# KiCad board main.kicad_pcb (continued)
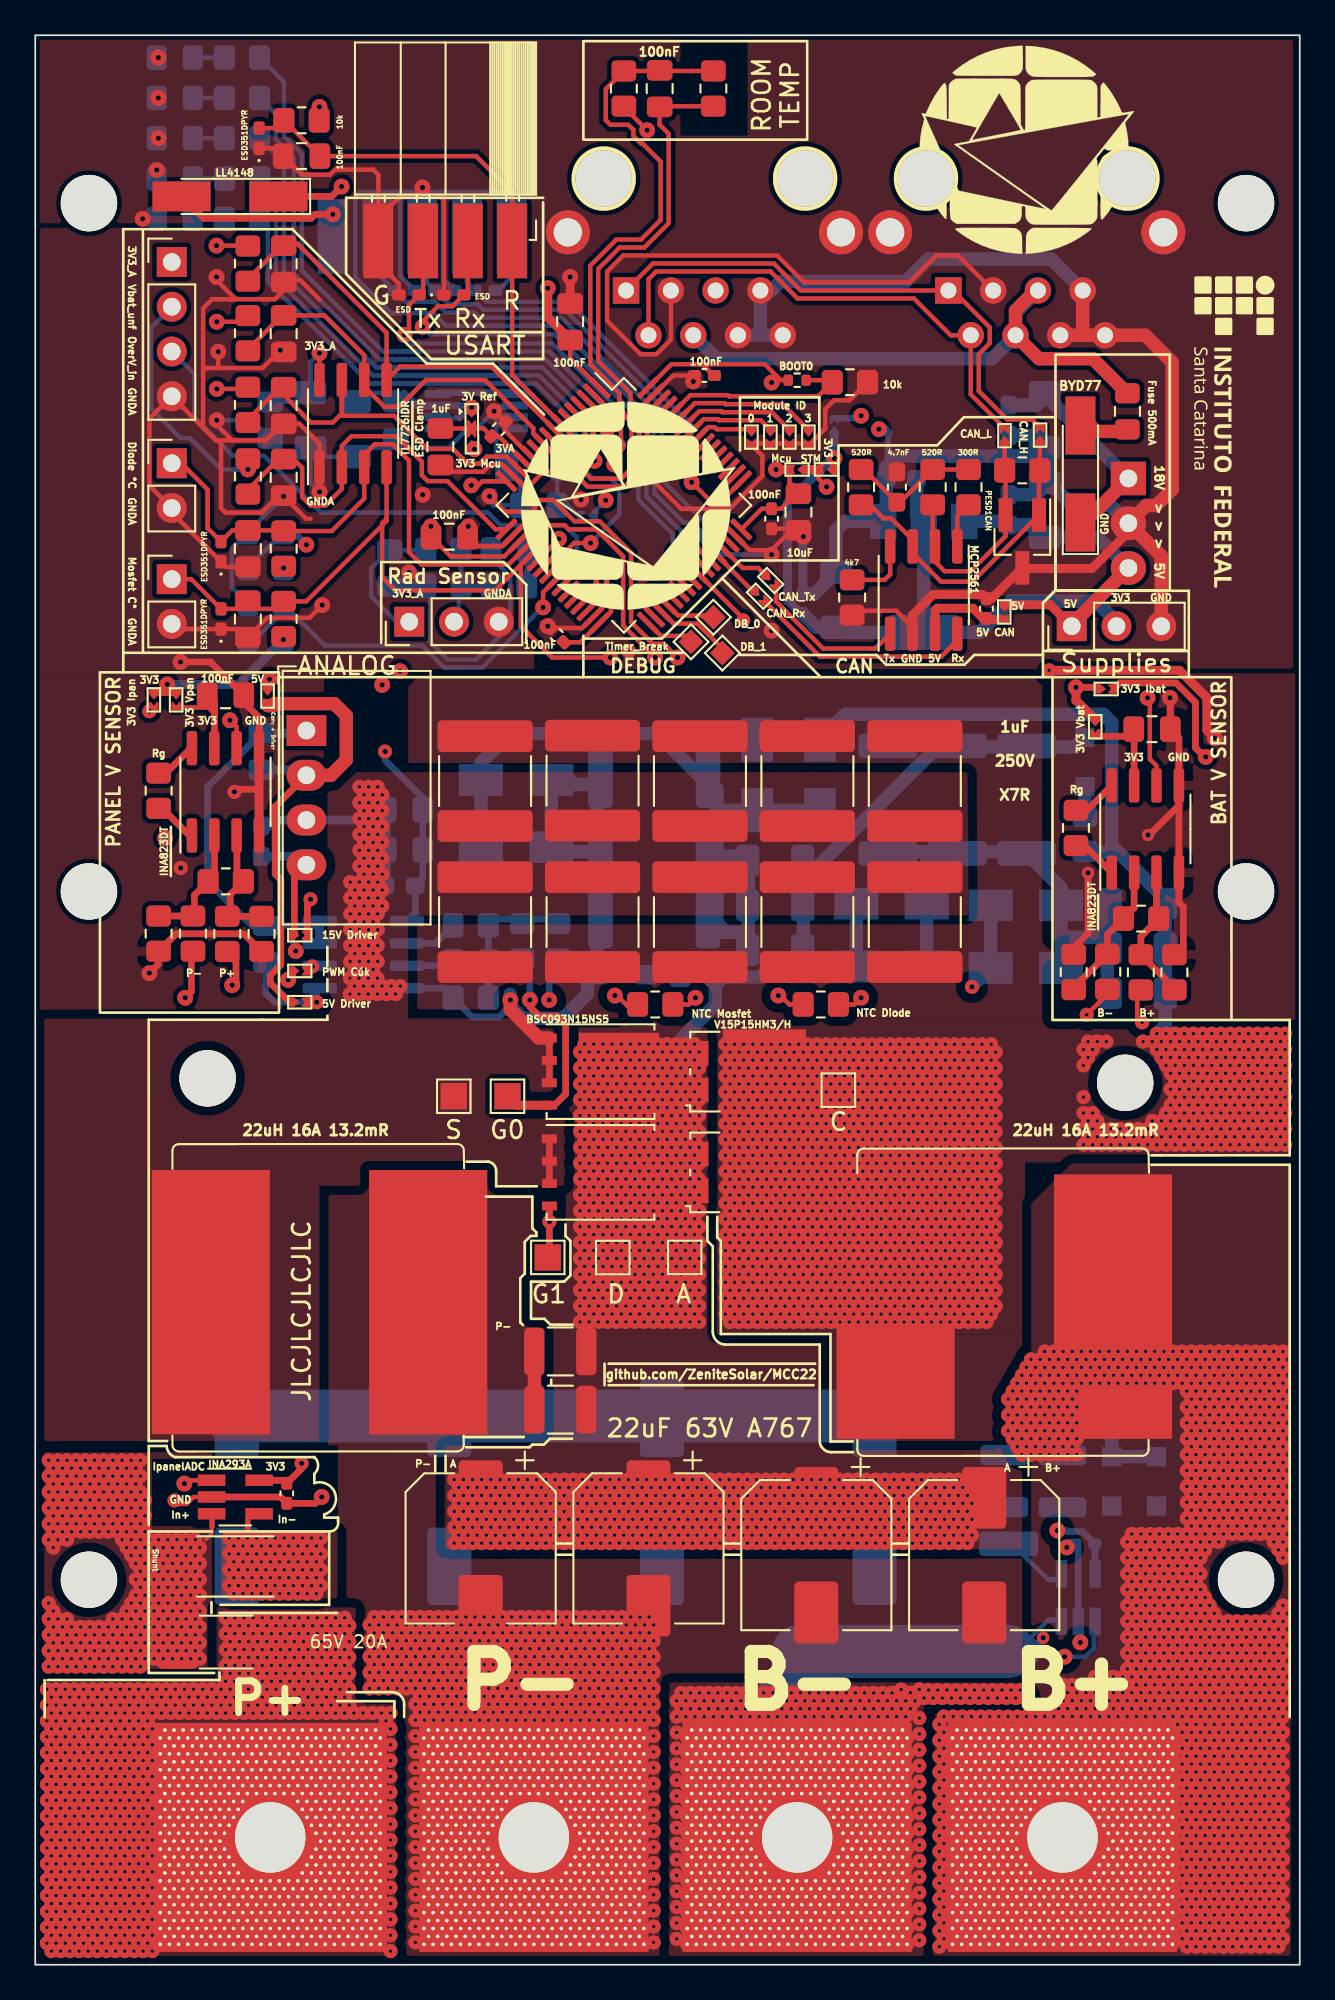
[diagram p0: board, top side]
## Routing (per net, layer and track width the routed paths; a pad name or vN(x,y) marks a point on that pad's centre or on a via; arc(x,y) is an arc through that point) (continued)
/PWM: length 50.4
  Top w0.254: U202.41 40.17,76.39 v2(40.17,76.27)
  Top w0.381: v1(14.35,55.88) 14.6,56.13 JP106.1
  In1.Cu w0.254: v1(20.7,73.39) 38.94,73.39 40.17,74.63 v2(40.17,76.27)
  In2.Cu w0.254: v1(20.7,73.39) 14.84,73.39 13.33,71.88 13.33,56.9 v1(14.35,55.88)
/RESET: length 30.1
  Top w0.254: 12.83,104.2 14.56,104.2 C205.2 25.02,102.62 27.07,100.57 J102.1 27.07,90.2 U202.7
/STM32/Bat_OverV_Out: length 36.8
  Top w0.254: v1(31.51,80.66) 30.58,80.66 30.04,80.12 29.63,80.12 28.86,79.35
  Bottom w0.254: R208.1 13.2,98.59 13.2,95.49 18.97,89.72 28.4,89.72 30.66,87.46 30.66,86.38 30.87,86.17 30.87,85.09 31.62,84.35 32.62,84.35 33.15,83.82 33.15,82.3 v1(31.51,80.66)
/STM32/BOOT0: length 10.7
  Top w0.254: U202.60 37.17,89.05 39.3,89.05 39.37,88.99 44.43,88.99 R202.1 ; R201.2 44.58,89.9
/STM32/CAN_BUSY: length 32.6
  Top w0.254: v1(31.74,85.33) 31.22,85.84 31.22,87.46 U202.5
  Bottom w0.254: v1(31.74,85.33) 31.74,85.94 31.12,86.56 31.12,87.64 28.59,90.17 19.16,90.17 13.66,95.68 13.66,100.44 R204.1
/STM32/CAN_RX: length 3
  Top w0.254: JP107.1 40.71,77.94 38.65,80
/STM32/CAN_TX: length 3.1
  Top w0.254: JP108.1 41.02,79.25 40.14,79.25 U202.45
/STM32/LED_0: length 39.9
  Top w0.254: U202.2 32.95,87.85 32.95,87.74 33.24,87.45 33.24,86.39 v1(33.06,86.21) 33.25,86.21
  Bottom w0.254: v1(33.06,86.21) 33.24,86.39 33.24,87.45 29.16,91.53 19.73,91.53 15.13,96.13 15.13,102.73 14.11,103.75 14.11,106.82 R207.1
/STM32/LED_1: length 34.6
  Top w0.254: v1(32.46,87.13) 32.46,87.63 U202.3
  Bottom w0.254: R206.1 13.66,104.99 13.66,103.56 14.68,102.54 14.68,95.94 19.54,91.08 28.97,91.08 32.46,87.59 v1(32.46,87.13)
/STM32/STATUS_LED: length 37.4
  Top w0.254: v1(32.85,85.13) 32.85,85.43 32.73,85.43 32.28,85.88 32.28,86.21 31.68,86.81 31.68,87.71 U202.4 31.58,87.81
  Bottom w0.254: R205.1 14.11,102.25 14.11,95.86 19.35,90.62 28.78,90.62 31.57,87.83 31.57,86.75 32.28,86.04 32.28,85.88 32.73,85.43 32.85,85.43 v1(32.85,85.13)
/SWCLK: length 25.7
  Top w0.25: U202.49 38.96,83.06 38.31,83.06 v1(37.25,84.11)
  Bottom w0.25: v1(37.25,84.11) 37.25,87.34 30.24,94.35 25.6,94.35 D105.2 24.49,95.46 J101.4
/SWDIO: length 30.4
  Top w0.25: v1(38.38,81.8) 38.38,81.72 U202.46
  Bottom w0.25: v1(38.38,81.8) 38.01,81.8 35.59,84.22 35.59,87.73 29.86,93.45 25.23,93.45 24.92,93.76 23.27,93.76 22.68,94.35 21.03,94.35 D103.2 19.41,95.97 J101.2
/SWO: length 24.4
  Top w0.25: v1(36.36,85) 36.66,85 U202.55
  Bottom w0.25: v1(36.36,85) 36.36,87.59 30.05,93.9 25.41,93.9 25.11,94.21 23.46,94.21 D104.2 22.23,95.43 22.23,97.77
/USART_RX: length 30.6
  Top w0.254: v1(21.99,92.92) 21.99,93.23 22.85,94.09 23.67,94.09 D107.2 24.55,94.97 J102.2 ; 36.97,81.01 U202.43
  Bottom w0.254: v1(21.99,92.92) 22.4,92.51 29.46,92.51 34.68,87.29 34.68,83.31 v1(36.97,81.03)
/USART_TX: length 31.1
  Top w0.254: v1(36.35,80.12) 37.15,80.12 U202.42 ; J102.3 22.01,94.97 D108.2 21.21,94.17 21.21,92.72 v1(20.95,92.47)
  Bottom w0.254: v1(36.35,80.12) 36.19,80.28 36.19,81.16 34.23,83.12 34.23,87.1 29.34,91.99 21.44,91.99 v1(20.95,92.47)
Net-(C402-Pad1): length 41.7
  Bottom w0.762: 39.19,58.58 38.68,59.09 38.68,66.71 ; D404.2 D403.2 38.65,65.51 ; 38.68,62.9 40.13,62.9 ; 25.29,68.2 26.94,69.85 35.29,69.85 38.65,66.49 ; 39.7,62.9 40.46,62.9 40.46,58.58 38.76,58.58 ; D402.2 D401.2
Net-(C406-Pad1): length 29.3
  Bottom w0.762: 60.83,55.37 60.83,60.45 ; 58.21,58.31 58.21,61.1 R411.2 ; 58.21,58.31 60.72,58.31 61,58.58 ; 58.21,58.31 D410.1 ; 49.35,63.15 50.52,63.15 ; 50.52,63.15 50.59,63.08 50.59,56.81 ; 50.52,63.15 56.97,63.15
Net-(C501-Pad2): length 5.7
  Top w0.381: 14.71,61.98 14.71,58.52 JP501.1
  Bottom w0.508: C501.2 14.9,62.89
Net-(C503-Pad1): length 6.8
  Top w0.381: v3(15.98,54.61) JP502.2
  Bottom w0.381: C503.1 13.08,55.12 13.59,54.61 15.34,54.61 U501.1 15.98,55.24 v3(15.98,54.61)
Net-(C702-Pad1): length 7.3
  Top w0.254: 47.03,84.84 C702.1 ; 49.06,82.97 R704.2 R702.1
Net-(D101-Pad2): length 9.2
  Top w0.381: v1(16.89,99.31) 15.88,99.31 15.65,99.09 9.54,99.09 D101.2
Net-(D102-Pad2): length 2.7
  Top w0.762: 61.86,87 60.2,87 59.86,87.33 D102.2
Net-(D201-Pad2): length 1.8
  Bottom w0.254: D201.2 R204.2
Net-(D202-Pad2): length 1.8
  Bottom w0.254: D202.2 R205.2
Net-(D203-Pad2): length 1.8
  Bottom w0.254: D203.2 R206.2
Net-(D204-Pad2): length 1.8
  Bottom w0.254: D204.2 R207.2
Net-(D205-Pad2): length 1.8
  Bottom w0.254: D205.2 R208.2
Net-(D405-Pad1): length 1.9
  Bottom w0.762: D405.1 R407.2
Net-(D412-Pad1): length 1.7
  Bottom w0.762: D412.1 R412.2
Net-(D413-Pad1): length 4.4
  Bottom w0.762: D414.1 D413.1 61.09,30.72
Net-(J302-Pad2): length 6
  Bottom w0.254: 24.03,75.64 24.03,77.87 ; R305.2 R304.1 R303.2
Net-(JP204-Pad1): length 3.3
  Top w0.254: U202.56 38.19,87.24 38.55,87.24 38.67,87.12 40.6,87.12
Net-(JP205-Pad1): length 5
  Top w0.254: U202.57 37.93,87.69 38.74,87.69 38.8,87.63 41.17,87.63 JP205.1
Net-(JP206-Pad1): length 6.7
  Top w0.254: JP206.1 41.79,88.08 38.99,88.08 38.93,88.14 37.68,88.14 U202.58
Net-(JP207-Pad1): length 8.3
  Top w0.254: U202.59 37.43,88.6 39.12,88.6 39.18,88.54 42.42,88.54 JP207.1
Net-(NT202-Pad2): length 0.5
  Bottom w0.25: 26.86,88.46 26.39,88.46
Net-(R306-Pad1): length 6.3
  Top w0.381: 12.84,59.48 11.06,59.48 11.06,60.72 R311.2 ; 11.45,64.07 11.45,61.83
Net-(R307-Pad1): length 6.6
  Top w0.381: 10.18,64.07 10.18,61.83 ; 7,59.5 9.03,59.5 9.03,60.69 R311.1
Net-(R308-Pad1): length 7.8
  Top w0.381: U302.3 63.63,59.48 R314.2 62.74,58.34 R308.1 64.64,55.4
Net-(R309-Pad1): length 7.9
  Top w0.381: U302.2 62.36,59.96 R314.1 60.83,58.44 R309.1 58.93,55.44
Net-(R316-Pad1): length 2.4
  Top w0.381: 8.91,69.1 7.62,67.82 7,67.82
Net-(R316-Pad2): length 2.6
  Top w0.381: 8.91,64.15 8.67,64.15 7,65.82
Net-(R317-Pad1): length 2.6
  Top w0.381: R317.1 59.68,65.5 U302.8
Net-(R317-Pad2): length 2.2
  Top w0.381: 59.55,63.5 U302.1
Net-(R318-Pad1): length 27.7
  Top w0.254: v1(11.05,70.61) 11.43,70.23 U301.6 ; v1(10.3,93.22) 11.71,93.22
  In2.Cu w0.254: v1(11.05,70.61) 10.43,71.23 10.43,71.75 9.92,72.26 9.92,86.15 11.08,87.31 11.08,89.73 9.53,91.28 9.53,92.44 v1(10.3,93.22)
Net-(R320-Pad1): length 67.6
  Top w0.25: v1(8.46,27.3) 8.65,27.49 U303.1
  Top w0.254: v1(10.3,89.41) 11.97,89.41
  In2.Cu w0.25: 9.53,71.37 9.53,58.03 7.19,55.69 7.19,51.54 7.19,51.54 7.19,28.57 v1(8.46,27.3)
  In2.Cu w0.254: 9.53,71.37 9.02,71.88 9.02,88.12 v1(10.3,89.41)
Net-(R321-Pad1): length 140.1
  Top w0.254: v1(10.29,97.54) 11.97,97.54
  In2.Cu w0.254: v1(58.41,17.48) 58.3,17.37 56.27,17.37 55.19,18.45 55.19,27.04 52.91,29.32 52.91,33.53 56.73,37.35 56.73,52.61 55.58,53.76 30.38,53.76 30.02,53.39 26.37,53.39 26,53.76 17.25,53.76 16.71,53.22 11.59,53.22 9.78,55.03 9.78,57 10.43,57.66 10.43,67.83 12.28,69.68 12.28,71.19 10.83,72.63 10.83,85.78 11.99,86.93 11.99,90.56 11.16,91.39 11.16,93.61 9.51,95.27 9.51,96.76 v1(10.29,97.54)
  Bottom w0.254: 60.08,19.43 60.08,17.97 59.59,17.48 v1(58.41,17.48)
Net-(R501-Pad1): length 3
  Bottom w0.381: U501.6 22.69,57.95 R501.1
Net-(R502-Pad1): length 2.4
  Bottom w0.381: U501.7 23.46,56.68
Net-(R701-Pad1): length 3.9
  Top w0.254: R701.1 48.21,78.58 48.51,78.88 U701.8
Net-(R702-Pad2): length 2.6
  Top w0.254: R702.2 52.32,82.2 U701.5
Net-(TP201-Pad1): length 2.8
  Top w0.254: U202.36 36.48,76.55 38.39,76.55
Net-(TP202-Pad1): length 4.4
  Top w0.254: 38.99,74.68 37.57,76.09 36.22,76.09 U202.35
Net-(TP203-Pad1): length 2.8
  Top w0.254: 37.21,75.18 37,75.4 35.5,75.4 U202.33

## Copper pours and planes (outline as drawn; the poured copper is in the pictures)
+3V3 on Bottom: 44.32,83.57 54.23,83.57 54.23,74.17 44.32,74.17
GND on Top, Bottom, In1.Cu, In2.Cu: 71.37,73.41 0.25,73.41 0.25,109.22 71.37,109.22
GND on Bottom, In1.Cu, In2.Cu: 17.4,53.09 0.13,53.09 0.13,72.9 17.4,72.9
GNDA on Top: 16.38,53.59 0.25,53.59 0.25,73.28 16.38,73.28
GNDA on Top, Bottom, In1.Cu, In2.Cu: 20.45,91.69 28.32,89.41 28.32,73.15 0.25,73.15 0.25,98.55 13.59,98.55
GNDA on Top, In1.Cu, In2.Cu: 71.63,53.59 57.66,53.59 57.66,73.28 71.63,73.28
/B+ on Top, In1.Cu, In2.Cu: 71.37,-0.51 50.93,-0.51 50.93,14.73 56.52,14.73 56.52,43.18 58.8,45.47 71.37,45.47
/B+ on Bottom: 63.12,28.49 0.25,28.49 0.25,35.31 63.12,35.31
/B+ on Bottom: 71.37,-0.49 50.67,-0.49 50.67,16.78 58.8,16.78 58.8,28.97 47.62,28.97 47.62,35.32 71.37,35.32
/B- on Top, In1.Cu, In2.Cu: 50.42,16.02 56.52,16 56.52,14.73 50.42,14.73 50.42,-0.49 35.94,-0.49 35.94,16.02
/B- on Bottom: 57.02,14.99 50.42,14.99 50.42,-0.51 35.94,-0.51 35.94,20.83 57.02,20.83
/Cuk/A on Top: 16.64,20.57 10.54,20.57 10.54,24.64 16.64,24.64
/Cuk/A on Top, Bottom, In1.Cu, In2.Cu: 17.15,20.57 10.54,20.57 10.54,24.64 17.15,24.64
/Cuk/A on Top, In1.Cu, In2.Cu: 38.73,35.81 45.09,35.81 45.09,29.46 56.01,29.46 56.01,23.57 23.24,23.57 23.24,29.46 28.07,29.46 28.07,41.4 30.1,41.4 30.1,53.85 38.73,53.85
/Cuk/A on Bottom: 64.14,25.4 57.02,25.4 57.02,19.81 10.29,19.81 10.29,27.94 64.14,27.94
/Cuk/A on Bottom: 60.33,67.63 58.29,67.63 58.29,64.07 48.64,64.07 48.64,55.18 37.21,55.18 37.21,57.21 41.78,57.21 41.78,63.56 46.1,63.56 46.1,70.61 60.33,70.61
/Cuk/A on Bottom: 38.23,35.92 0.2,35.92 0.2,53.14 38.23,53.14
/Cuk/A on In1.Cu: 37.21,52.07 33.4,52.07 33.4,55.63 37.21,55.63
/Cuk/A on In1.Cu, In2.Cu: 56.89,14.71 5.97,14.71 5.97,28.1 56.89,28.1
/Cuk/C on Top: 57.73,53.7 65.61,53.7 65.66,45.6 56.17,45.6 56.01,29.72 45.09,29.72 45.09,35.81 38.66,35.81 38.66,53.7 21.16,53.7 21.16,73 57.73,73
/Cuk/C on Top, In1.Cu, In2.Cu: 71.7,45.47 56.17,45.52 56.17,35.75 38.68,35.75 38.68,53.7 71.7,53.7
/Cuk/C on Bottom: 71.37,53.09 61.09,53.09 61.09,67.56 39.5,67.82 39.5,71.37 71.37,71.37
/Cuk/C on Bottom: 71.45,35.92 38.66,35.92 38.66,53.14 71.45,53.14
/Cuk/C on In1.Cu: 46.61,52.07 42.8,52.07 42.8,55.63 46.61,55.63
/Cuk/C on In1.Cu, In2.Cu: 71.66,45.51 57.73,45.51 57.73,53.6 71.66,53.6
/Cuk/S on Top: 30.1,44.2 16.13,44.2 16.13,29.72 0.51,29.71 0.46,53.68 30.05,53.7
/Cuk/S on Top: 52.96,59.54 21.16,59.54 21.16,47.6 16.59,47.6 16.58,67.67 52.91,67.67
/Cuk/S on Bottom: 23.5,60.71 30.61,60.71 30.61,53.85 17.4,53.85 17.4,72.6 23.5,72.6
/Cuk/S on Bottom: 34.67,53.85 30.61,53.85 30.61,60.71 27.3,60.71 27.3,68.58 34.67,68.58
/Cuk/S on In1.Cu: 21.17,53.62 17.37,53.62 17.37,67.52 21.17,67.52
/Cuk/S on In2.Cu: 32.77,54.52 17.27,54.52 17.27,72.72 32.77,72.72
/P+ on Top, Bottom, In1.Cu, In2.Cu: 10.03,16.26 0.25,16.26 0.25,29.08 10.03,29.08
/P+Unfused on Top, Bottom, In1.Cu, In2.Cu: 18.19,15.02 20.45,15.02 20.45,-0.51 0.25,-0.51 0.25,16.26 10.29,16.26 10.29,20.28 18.19,20.28
/P- on Top: 29.34,29.46 23.24,29.46 23.24,23.88 56.01,23.88 56.01,16 35.66,16.02 35.66,-0.71 20.42,-0.71 20.42,15.02 17.17,15.02 17.17,29.46 15.88,29.46 15.88,44.2 29.34,44.2
/P- on Bottom, In1.Cu, In2.Cu: 35.69,-0.51 20.95,-0.51 20.95,14.99 18.41,14.99 18.41,20.32 35.69,20.32
Net-(C402-Pad1) on Bottom: 39.5,67.82 45.34,67.82 45.34,64.01 41.78,64.01 41.78,56.39 34.67,56.39 34.67,68.58 27.05,68.58 27.05,61.72 23.5,61.72 23.5,71.37 39.5,71.37
Net-(C406-Pad1) on Bottom: 62.1,64.01 62.1,54.1 48.64,54.1 48.64,64.26

## Text on the board
B.Silkscreen: 10uF | 1uF | 100nF | 10nF | 4R7 | 10k | ESD351DPYR | 4.7uF | 1R | V_rad | Status / LED | CAN / Busy | Bat / OverV | P+ Fused | S | GND | PWM | 5V | 15V | SRC | SNK | 5V STM | AMS1117-3.3 | Shunt | In- | In+ | +18V | INA293A | SMF64A | ^ ^ ^ ^ ^ / 1k | P+ Unfused | 1EDI60N12AF | 3V Ref | REF3430QDGKRQ1 | \/  5V STM   \/ | Out_G | G0 | 3V3 | GNDA > / > | A | G1 | D | 3V3_A | C | B+ | X7R 10uF | IbatADC | LED1 | LED0 | ESD x3 | SWDIO | SWO | SWCLK | 100V | OverVoltage | 22uF 100V | Driver | 5V>3V Ref | Rad Sensor | A767 | Snubber | 5V > 3.3V | SUPPLIES | 18V >5V | Overvoltage | Diode.°C | Mos.°C | Ext | Int | github.com/ZeniteSolar/MCC22 | P+ | P- | B-
F.Silkscreen: Conv + Driver | 10k | Shunt | PESD1CAN | ESD | 4k7 | 520R | 4.7nF | 300R | ESD351DPYR | 100nF | INA823DT | TL7726IDR | ESD Clamp | 3V3_A | Vbat_unf | OverV_in | GNDA | Diode °C | Mosfet C° | 3V3 | MCP2561 | CAN_H | Rg | IpanelADC | GND | In+ | P- | P+ | INA293A | LL4148 | 5V | In- | PWM Cúk | 5V Driver | 15V Driver | 1uF | A | 3V3 Mcu | 3V Ref | 3VA | BSC093N15NS5 | Timer_Break | NTC Mosfet | DB_0 | 0 | V15P15HM3/H | DB_1 | 1 | Module ID | Mcu | CAN_Rx | 2 | BOOT0 | CAN_Tx | 10uF | 3 | STM | NTC Diode | Tx | Rx | CAN_L | 5V CAN | B+ | B- | 3V3 Ibat | 3V3 Ipan | 3V3 Vpan | 3V3 Vbat | Fuse 500mA | github.com/ZeniteSolar/MCC22 | BYD77 | 18V  > > >  5V | 22uH 16A 13.2mR | 1uF / 250V / X7R | 65V 20A | DEBUG | CAN | PANEL V SENSOR | BAT V SENSOR | Rad Sensor | ANALOG | G | S | USART | G0 | R | G1 | D | 22uF 63V A767 | C | Supplies | JLCJLCJLCJLC | ROOM / TEMP
